# Altium PCB netv2mvp-pvt1b.PCBDOC (part 2 of 7)
Units mm, origin at the board's own origin, x right, y up, seen from the top; angles counter-clockwise.
Board outline 100 x 100 mm, 6 copper layers (L1, L2, L3, L4, L5, L6), stack 1.554 mm thick; 357 components, 296 nets, 2117 pads, 969 vias.
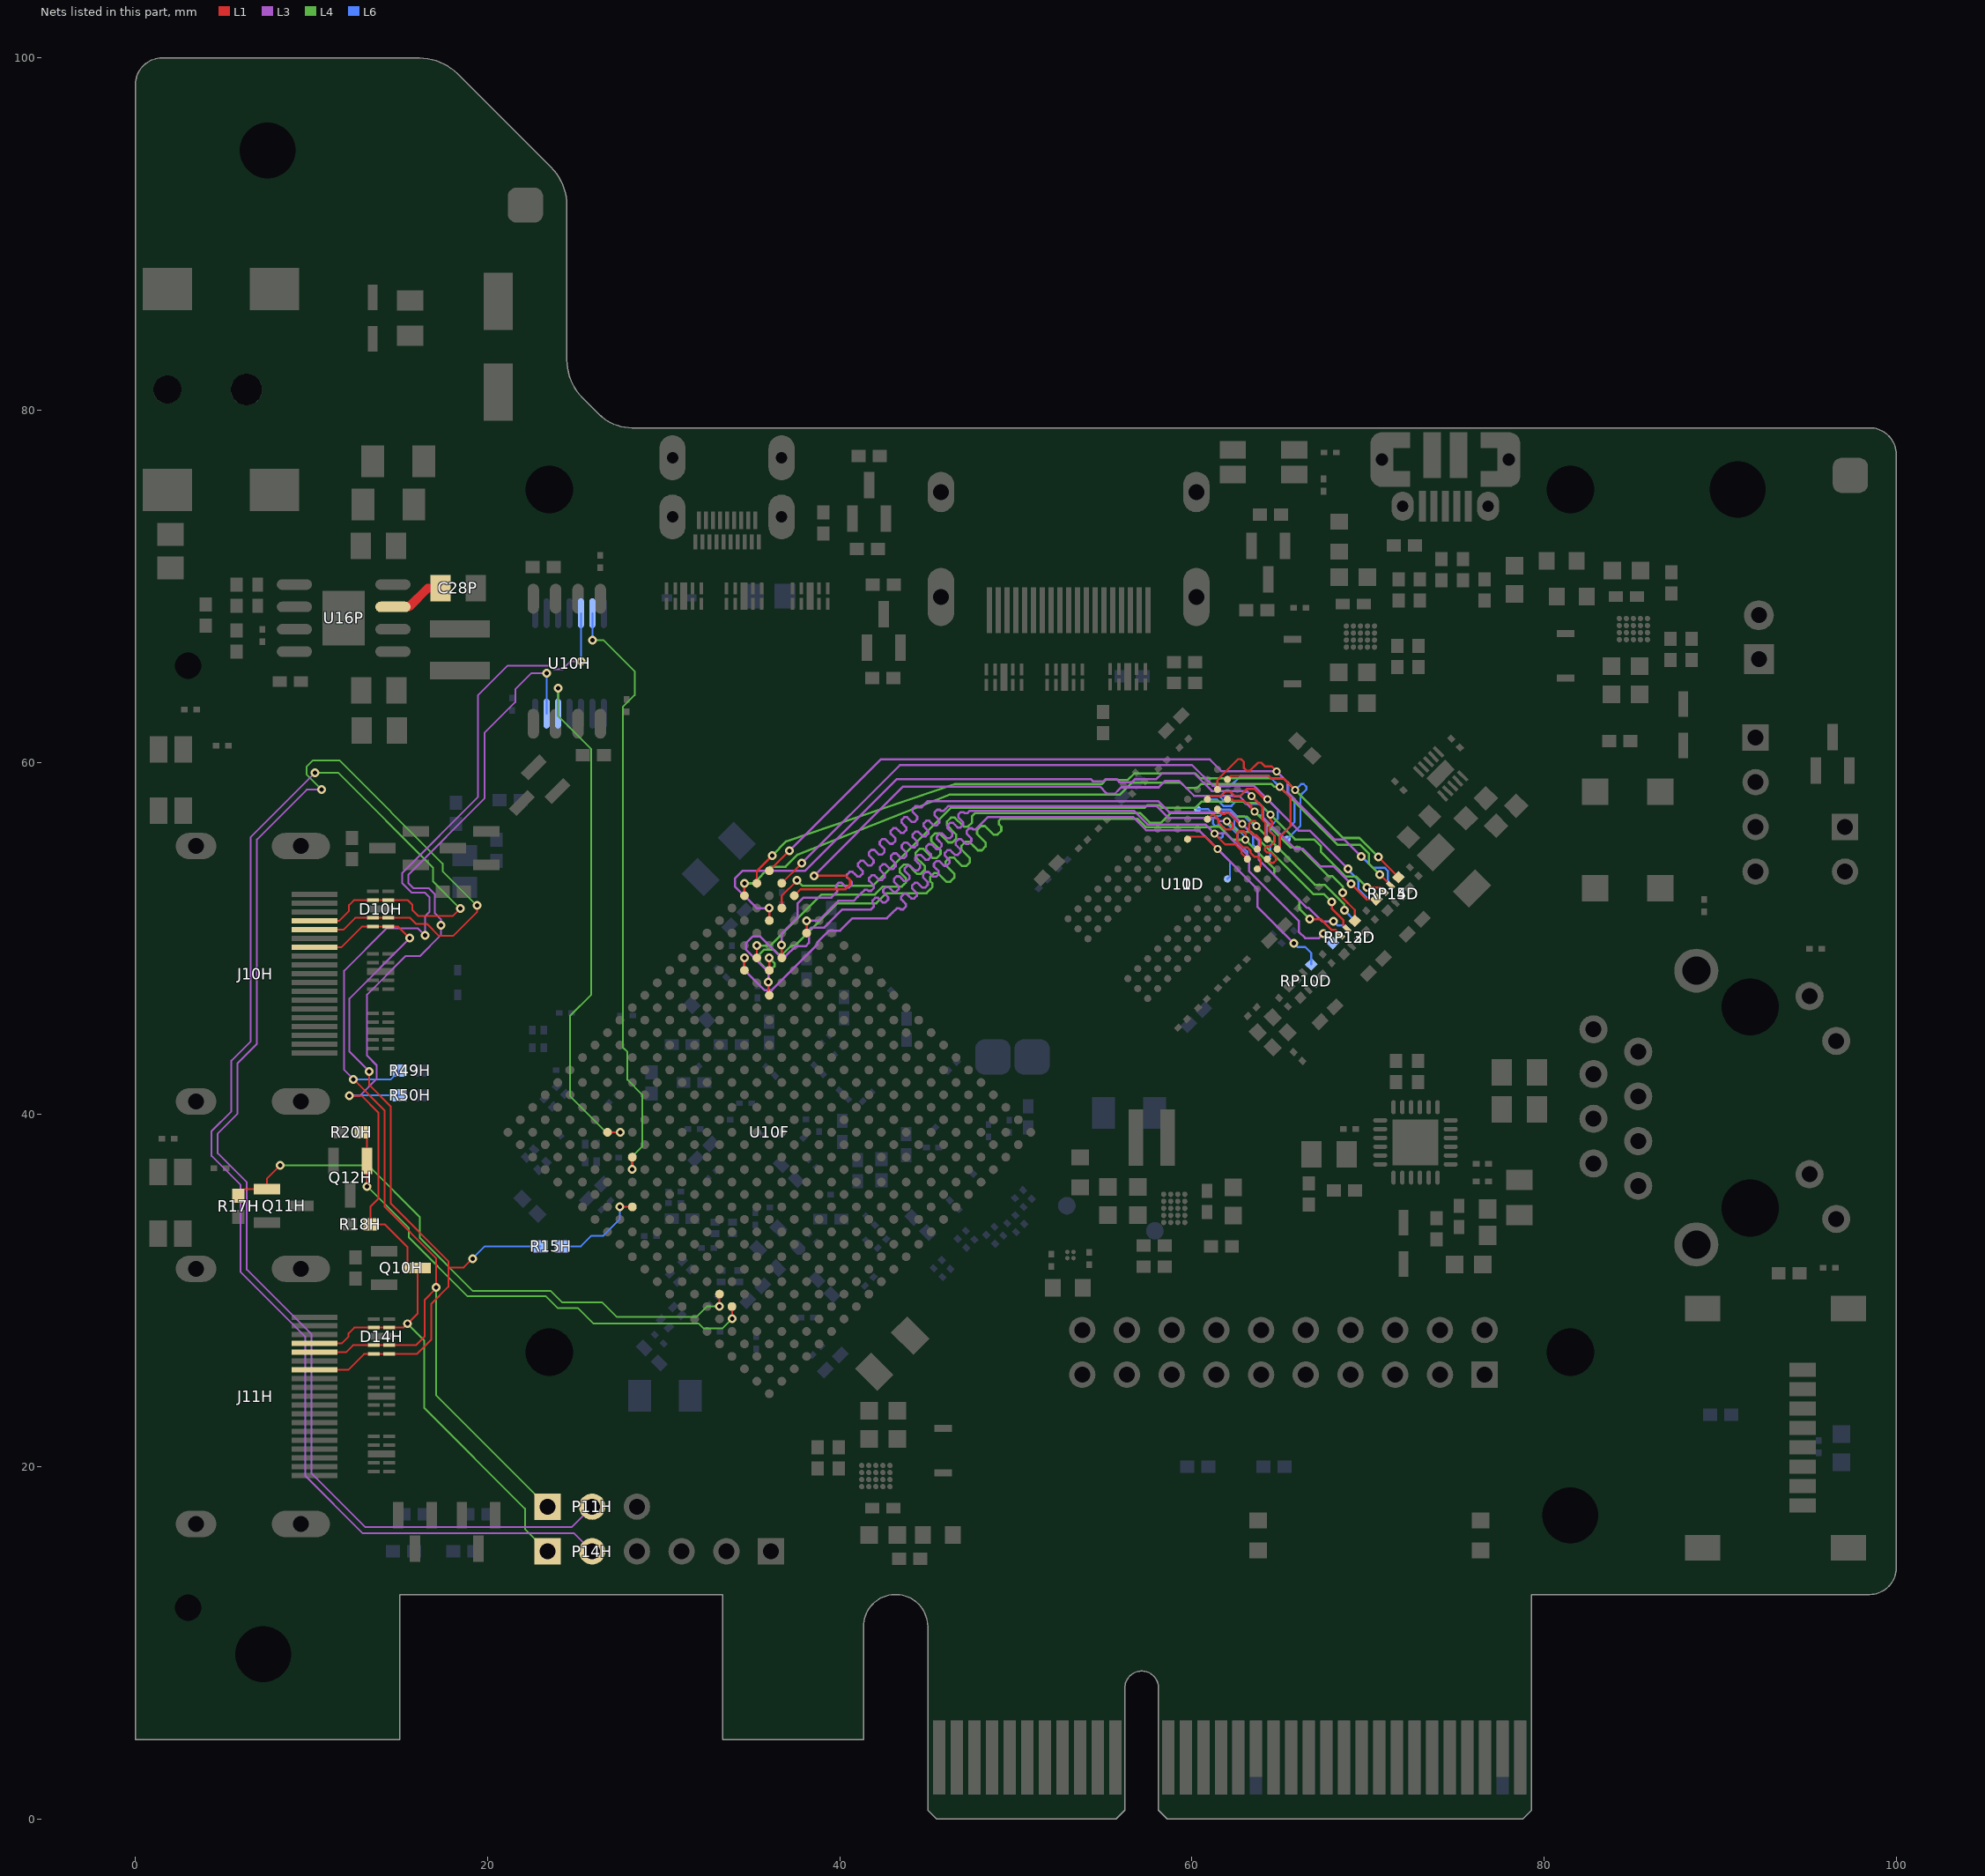
[diagram p6: the nets of this part, all layers, seen from the top]

## Footprints (in the part's own frame and the unit in brackets; to place one, negate y for a bottom-side part, rotate by r counter-clockwise, add the part's x,y. Pads: shape width x height; smd on the part's side, far side on the other; paste and mask are expansions set on the pad) (continued)
HDR1X4 [mm] "Connector; Header; 4 Position"
  rect 1.5x1.5 hole 0.9: 1(0,0)
  round 1.5 hole 0.9: 2(2.54,0) 3(5.08,0) 4(7.62,0)
  silkscreen extent -1.27,-1.27 8.89,1.27
HDR2X10 [mm] "Connector; Header; 10x2 Position"
  rect 1.5x1.5 hole 0.9: 1(0,0)
  round 1.5 hole 0.9: 2(0,2.54) 3(2.54,0) 4(2.54,2.54) 5(5.08,0) 6(5.08,2.54) 7(7.62,0) 8(7.62,2.54) 9(10.16,0) 10(10.16,2.54) 11(12.7,0) 12(12.7,2.54) 13(15.24,0) 14(15.24,2.54) 15(17.78,0) 16(17.78,2.54) 17(20.32,0) 18(20.32,2.54) 19(22.86,0) 20(22.86,2.54)
  silkscreen extent -1.27,-1.27 24.13,3.81
INDC1608AN [mm] "Chip Inductor, Body 1.6x0.8mm, IPC Medium Density"
  rect 1.1x1 smd: 1(-0.75,0) 2(0.75,0)
  body extent -0.9,-0.5 0.9,0.5, height 1
JST_S2B_XH_A [mm] "JST XH connector, 2-pin, RA, TH"
  rect 1.7x1.7 hole 0.9: 1(1.25,0)
  round 1.7 hole 0.9: 2(-1.25,0)
  silkscreen extent -3.7,-2.3 3.7,9.2, body extent -3.7,-2.3 3.7,9.2, height 5.95
LED_1210_DUAL [mm] "1210-sized dual LED package"
  rect 1.5x1 smd: 1(1.75,-0.7) 2(1.75,0.7) 3(-1.75,-0.7) 4(-1.75,0.7)
  silkscreen extent -0.7,-1.3 -0.7,1.3, body extent -1.6,-1.4 1.6,1.4, height 1.1
MICT-HA-96 [mm] "BGA, 96-Balls, Body 14x9mm, Pitch 0.8mm"
  round 0.4 smd: A1(-3.2,6) A2(-2.4,6) A3(-1.6,6) A7(1.6,6) A8(2.4,6) A9(3.2,6) B1(-3.2,5.2) B2(-2.4,5.2) B3(-1.6,5.2) B7(1.6,5.2) B8(2.4,5.2) B9(3.2,5.2) C1(-3.2,4.4) C2(-2.4,4.4) C3(-1.6,4.4) C7(1.6,4.4) C8(2.4,4.4) C9(3.2,4.4) D1(-3.2,3.6) D2(-2.4,3.6) D3(-1.6,3.6) D7(1.6,3.6) D8(2.4,3.6) D9(3.2,3.6) E1(-3.2,2.8) E2(-2.4,2.8) E3(-1.6,2.8) E7(1.6,2.8) E8(2.4,2.8) E9(3.2,2.8) F1(-3.2,2) F2(-2.4,2) F3(-1.6,2) F7(1.6,2) F8(2.4,2) F9(3.2,2) G1(-3.2,1.2) G2(-2.4,1.2) G3(-1.6,1.2) G7(1.6,1.2) G8(2.4,1.2) G9(3.2,1.2) H1(-3.2,0.4) H2(-2.4,0.4) H3(-1.6,0.4) H7(1.6,0.4) H8(2.4,0.4) H9(3.2,0.4) J1(-3.2,-0.4) J2(-2.4,-0.4) J3(-1.6,-0.4) J7(1.6,-0.4) J8(2.4,-0.4) J9(3.2,-0.4) K1(-3.2,-1.2) K2(-2.4,-1.2) K3(-1.6,-1.2) K7(1.6,-1.2) K8(2.4,-1.2) K9(3.2,-1.2) L1(-3.2,-2) L2(-2.4,-2) L3(-1.6,-2) L7(1.6,-2) L8(2.4,-2) L9(3.2,-2) M1(-3.2,-2.8) M2(-2.4,-2.8) M3(-1.6,-2.8) M7(1.6,-2.8) M8(2.4,-2.8) M9(3.2,-2.8) N1(-3.2,-3.6) N2(-2.4,-3.6) N3(-1.6,-3.6) N7(1.6,-3.6) N8(2.4,-3.6) N9(3.2,-3.6) P1(-3.2,-4.4) P2(-2.4,-4.4) P3(-1.6,-4.4) P7(1.6,-4.4) P8(2.4,-4.4) P9(3.2,-4.4) R1(-3.2,-5.2) R2(-2.4,-5.2) R3(-1.6,-5.2) R7(1.6,-5.2) R8(2.4,-5.2) R9(3.2,-5.2) T1(-3.2,-6) T2(-2.4,-6) T3(-1.6,-6) T7(1.6,-6) T8(2.4,-6) T9(3.2,-6)
  silkscreen extent -5.27,-7 4.5,7, body extent -4.5,-7 4.5,7, height 0.1
MOLEX_47151-0001 [mm] "Molex HDMI right angle header assembly"
  oval 1.5x3.3 hole 0.9 slot 2.7 at 90 deg mask+0.07: 0(-7.25,0) 0(7.25,0)
  oval 1.5x2.3 hole 0.9 slot 1.7 at 90 deg mask+0.07: 0(-7.25,-5.96) 0(7.25,-5.96)
  rect 0.3x2.6 smd mask+0.07: 1(4.5,0.76) 2(4,0.76) 3(3.5,0.76) 4(3,0.76) 5(2.5,0.76) 6(2,0.76) 7(1.5,0.76) 8(1,0.76) 9(0.5,0.76) 10(0,0.76) 11(-0.5,0.76) 12(-1,0.76) 13(-1.5,0.76) 14(-2,0.76) 15(-2.5,0.76) 16(-3,0.76) 17(-3.5,0.76) 18(-4,0.76) 19(-4.5,0.76)
  silkscreen extent -8.4,-10.55 8.4,2.76, body extent -7.5,-10.55 7.5,1.6, height 6.18
MOLEX_0467651301 [mm] "HDMI-D connector, through-hole shell pins"
  oval 1.5x2.55 hole 0.65 slot 1.7 at 90 deg mask+0.07: 0(-3.1,5.06) 0(-3.1,1.7) 0(3.1,5.06) 0(3.1,1.7)
  rect 0.23x0.85 smd mask+0.03: 1(1.8,6.475) 3(1.4,6.475) 5(1,6.475) 7(0.6,6.475) 9(0.2,6.475) 11(-0.2,6.475) 13(-0.6,6.475) 15(-1,6.475) 17(-1.4,6.475) 19(-1.8,6.475)
  rect 0.23x1 smd mask+0.03: 2(1.6,5.25) 4(1.2,5.25) 6(0.8,5.25) 8(0.4,5.25) 10(0,5.25) 12(-0.4,5.25) 14(-0.8,5.25) 16(-1.2,5.25) 18(-1.6,5.25)
  silkscreen extent -3.88,-0.7 3.88,0, body extent -3.25,-0.7 3.25,6.8, height 2.95
PANASONIC_EXB24V [mm] "2x0402 resistor network"
  rect 0.38x0.5 smd mask+0.076: 1(0,0) 2(0.65,0) 3(0.65,1) 4(0,1)
  silkscreen extent -0.15,-0.53 0.05,-0.53, body extent -0.27,-0.08 0.93,1.07, height 0.35
PANASONIC_EXB28V [mm] "4x0402 resistor network"
  rect 0.525x0.5 smd mask+0.076: 1(-0.138,0) 4(1.638,0) 5(1.638,0.9) 8(-0.138,0.9)
  rect 0.25x0.5 smd mask+0.076: 2(0.5,0) 3(1,0) 6(1,0.9) 7(0.5,0.9)
  silkscreen extent -0.47,-0.53 -0.27,-0.52, body extent -0.4,-0.07 1.9,0.98, height 0.35
PCIeX4-GF-2D-1000-1K-O64 [mm] "Golden finger, PCIeX4, Dual, Opposite, Pitch 1mm, 64-Position"
  rect 0.7x3.2 smd far side: A1(-9.5,0.5)
  rect 0.7x4.2 smd far side: A2(-8.5,0) A3(-7.5,0) A4(-6.5,0) A5(-5.5,0) A6(-4.5,0) A7(-3.5,0) A8(-2.5,0) A9(-1.5,0) A10(-0.5,0) A11(0.5,0) A12(3.5,0) A13(4.5,0) A14(5.5,0) A15(6.5,0) A16(7.5,0) A17(8.5,0) A18(9.5,0) A19(10.5,0) A20(11.5,0) A21(12.5,0) A22(13.5,0) A23(14.5,0) A24(15.5,0) A25(16.5,0) A26(17.5,0) A27(18.5,0) A28(19.5,0) A29(20.5,0) A30(21.5,0) A31(22.5,0) A32(23.5,0)
  rect 0.7x4.2 smd: B1(-9.5,0) B2(-8.5,0) B3(-7.5,0) B4(-6.5,0) B5(-5.5,0) B6(-4.5,0) B7(-3.5,0) B8(-2.5,0) B9(-1.5,0) B10(-0.5,0) B11(0.5,0) B12(3.5,0) B13(4.5,0) B14(5.5,0) B15(6.5,0) B16(7.5,0) B18(9.5,0) B19(10.5,0) B20(11.5,0) B21(12.5,0) B22(13.5,0) B23(14.5,0) B24(15.5,0) B25(16.5,0) B26(17.5,0) B27(18.5,0) B28(19.5,0) B29(20.5,0) B30(21.5,0) B32(23.5,0)
  rect 0.7x3.2 smd: B17(8.5,0.5) B31(22.5,0.5)
QFN50P400X400-24VBN [mm] "QFN, 24-Leads, Body 4x4mm, Pitch 0.5mm, IPC Medium Density"
  oval 0.8x0.25 smd: 1(-2,1.25) 2(-2,0.75) 3(-2,0.25) 4(-2,-0.25) 5(-2,-0.75) 6(-2,-1.25) 13(2,-1.25) 14(2,-0.75) 15(2,-0.25) 16(2,0.25) 17(2,0.75) 18(2,1.25)
  oval 0.25x0.8 smd: 7(-1.25,-2) 8(-0.75,-2) 9(-0.25,-2) 10(0.25,-2) 11(0.75,-2) 12(1.25,-2) 19(1.25,2) 20(0.75,2) 21(0.25,2) 22(-0.25,2) 23(-0.75,2) 24(-1.25,2)
  rect 2.6x2.6 smd: 25(0,0)
  silkscreen extent -3.08,-2.1 2.1,2.1, body extent -2.07,-2.07 2.07,2.07, height 1
RESC1005N [mm] "Chip Resistor, Body 1.1x0.5mm, IPC Medium Density"
  rect 0.8x0.7 smd: 1(-0.6,0) 2(0.6,0)
  body extent -0.55,-0.3 0.55,0.3, height 0.4
RESC1608N [mm] "Chip Resistor, Body 1.6x0.8mm, IPC Medium Density"
  rect 0.9x1 smd: 1(-0.85,0) 2(0.85,0)
  body extent -0.85,-0.48 0.85,0.48, height 0.6
RESC2012N [mm] "Chip Resistor, Body 2.0x1.3mm, IPC Medium Density"
  rect 1.2x1.4 smd: 1(-0.9,0) 2(0.9,0)
  silkscreen extent 0,-0.6 0,0.6, body extent -1.07,-0.7 1.07,0.7, height 0.65
SEMTECH_SLP2510P8 [mm] "Semtech array ESD package"
  rect 0.2x0.675 smd mask+0.038: 1(-1,-0.437) 2(-0.5,-0.437) 4(0.5,-0.437) 5(1,-0.437) 6(1,0.437) 7(0.5,0.438) 9(-0.5,0.437) 10(-1,0.437)
  rect 0.4x1.55 smd mask+0.038: 3(0,0)
  silkscreen extent -1.7,-1.5 1.4,0.6, body extent -1.3,-0.6 1.3,0.6, height 0.65
SOD-323 [mm] "SOD-323/SC-76; 2 Leads; Body 1.7 x 1.3 mm, (LxW)"
  rect 1.45x0.55 smd: 1(1.175,0) 2(-1.175,0)
  silkscreen extent -0.95,-0.75 0.95,0.75
SOD-523 [mm] "Molded Diode, 2-Leads, Body 1.2x0.8mm, IPC Medium Density"
  rect 0.6x0.4 smd: 1(-0.7,0) 2(0.7,0)
  silkscreen extent -1.3,-0.45 0.15,0.45, body extent -0.65,-0.45 0.65,0.45, height 0.7
SOIC127P600-8DN [mm] "8-Pin Small Outline Integrated Circuit 1.27 mm Pitch"
  oval 2x0.6 smd: 1(-2.8,1.905) 2(-2.8,0.635) 3(-2.8,-0.635) 4(-2.8,-1.905) 5(2.8,-1.905) 6(2.8,-0.635) 7(2.8,0.635) 8(2.8,1.905)
  rect 2.4x3.1 smd: 9(0,0)
  silkscreen extent -2.62,-2.5 1.1,2.88, body extent -2,-2.5 2,2.5, height 1.55
SOIC127P790X216-8N [mm] "SOIC, 8-Leads, Body 5.23x5.28mm, Pitch 1.27mm, IPC Medium Density"
  oval 1.7x0.65 smd: 1(-3.55,1.905) 2(-3.55,0.635) 3(-3.55,-0.635) 4(-3.55,-1.905) 5(3.55,-1.905) 6(3.55,-0.635) 7(3.55,0.635) 8(3.55,1.905)
  silkscreen extent -3.67,-2.65 2.3,2.91, body extent -2.7,-2.65 2.7,2.65, height 2.16
SOT23-3N [mm] "SOT23, 3-Leads, Body 2.9x1.3mm, Pitch 0.95mm, Lead Span 2.5mm, IPC Medium Density"
  rect 1.5x0.6 smd: 1(-0.95,0.95) 2(-0.95,-0.95) 3(0.95,0)
  silkscreen extent -1.07,-1.5 0.7,1.92, body extent -0.7,-1.5 0.7,1.5, height 1.1
SWITCH_TS-1187A [mm] "TS-1187A tact switch, Chi Fung Electronics"
  rect 1.5x1.5 smd mask+0.07: 1(0,0) 2(0,-5.5) 3(3.7,0) 4(3.7,-5.5)
  silkscreen extent -0.7,-5.3 4.4,-0.2, body extent -0.7,-5.3 4.4,-0.2, height 1.6
TI-DSQ-R-PWSON-N10 [mm] "SON, 10-Leads, Body 2.00x2.00mm, Pitch 0.40mm, Thermal Pad 1.50x0.79mm, IPC Medium Density"
  rect 0.75x0.2 smd mask+0.07: 1(0,0) 2(0,-0.4) 3(0,-0.8) 4(0,-1.2) 5(0,-1.6) 6(1.94,-1.6) 7(1.94,-1.2) 8(1.94,-0.8) 9(1.94,-0.4) 10(1.94,0)
  rect 0.79x1.5 smd paste-0.4 mask+0.07: 11(0.97,-0.8)
  silkscreen extent -0.64,0.26 -0.54,0.36, body extent -0.08,-1.85 2.02,0.25, height 0.8
TI_YKE004 [mm] "DSBGA with SMD pads, 4-Leads, Body 0.65x0.65mmx0.45mm, Pitch 0.35mm"
  round 0.25 smd mask-0.04: A1(-0.175,0.175) A2(0.175,0.175) B1(-0.175,-0.175) B2(0.175,-0.175)
  silkscreen extent -0.48,0.38 -0.38,0.48, body extent -0.33,-0.32 0.32,0.33, height 0.45
TP_2MM_SQ [mm] "2mm x 2mm square test pad"
  rrect50% 2x2 smd: 1(0,0)
TSOP65P640-14AN [mm] "TSOP, 14-Leads, Body 5x4.4mm, Pitch 0.65mm, IPC Medium Density"
  oval 1.7x0.35 smd: 1(-2.85,1.95) 2(-2.85,1.3) 3(-2.85,0.65) 4(-2.85,0) 5(-2.85,-0.65) 6(-2.85,-1.3) 7(-2.85,-1.95) 8(2.85,-1.95) 9(2.85,-1.3) 10(2.85,-0.65) 11(2.85,0) 12(2.85,0.65) 13(2.85,1.3) 14(2.85,1.95)
  silkscreen extent -2.97,-2.55 1.6,2.8, body extent -2.25,-2.55 2.25,2.55, height 1.2
UDE_RB1-125BAG1A [mm] "10/100 Ethernet Jack with Magnetics"
  round 2.5 hole 1.6: 0(-7.775,3.05) 0(7.775,3.05)
  round 1.6 hole 0.9: L1(6.325,-3.38) L3(-3.785,-3.38) R1(-4.445,6.35) R2(-3.175,8.89) R3(-1.905,6.35) R4(-0.635,8.89) R5(0.635,6.35) R6(1.905,8.89) R7(3.175,6.35) R8(4.445,8.89)
  round 1.6 hole 0.9 mask+0.07: L2(3.785,-4.9) L4(-6.325,-4.9)
  round 1.6 hole 3.25 unplated: NPT(-5.715,0) NPT(5.715,0)
  silkscreen extent -7.9,-10.9 7.9,10.9, body extent -7.9,-10.9 7.9,10.9, height 13.35
"USB_MICRO_B_SMT - KAWEEI" [mm] "Micro B SMT footprint (based on USB-IF recommended pattern)"
  oval 1.3x3.12 hole 0.7 slot 1.3 at 90 deg mask+0.07: 0(-3.6,0) 0(3.6,0)
  rect 1.6x0.9 smd mask+0.07: 0(-2.8,-1.1) 0(-2.8,1.1) 0(2.8,-1.1) 0(2.8,1.1)
  oval 1.25x1.65 hole 0.65 slot 1.05 at 90 deg mask+0.07: 0(-2.425,2.65) 0(2.425,2.65)
  rect 1x2.6 smd mask+0.07: 0(-0.75,-0.25) 0(0.75,-0.25)
  rect 0.4x1.75 smd mask+0.07: 1(-1.3,2.65) 2(-0.65,2.65) 3(0,2.65) 4(0.65,2.65) 5(1.3,2.65)
  silkscreen extent -3.4,-1.7 3.3,-1.7, body extent -4.02,-2.75 4.02,3.28, height 2.85

## Part data
C10C C10H C11D C11F C12D C12F C12H C13E C14D C15E C15F C16C C16D C16F C17D C18D C18E C19D C20E C20F C21F C22F C23F C24F C25F C27D C27F C29D C31D C32D C33D C34D C35D C36D C36F C37F C37P C38D C39D C40D C40F C41D C42D C43D C50D C87F C88F C89F: library part "Cap Semi", "Capacitor (Semiconductor SIM Model)", MPN=CL03A104KQ3NNNC, MYPN=C-104-6p3-X5R-0201, VENDOR=Samsung
C10D C10F C15D C17E C17F C20D C21D C26D C28D C28F C29F C30D C37D C38F C44D C46F C47F C48F C56F C57F C58F C63F C64F C65F C70F C71F C72F C77F C78F C79F C84F C85F C86F: library part "Cap Semi", "Capacitor (Semiconductor SIM Model)", MPN=CL05A475MQ5NQNC, MYPN=C-475-6p3-X5R-0402, VENDOR=Samsung
C10E C11E C28P C33P C38P: library part "Cap Semi", "Capacitor (Semiconductor SIM Model)", MPN=CL21B104KBCNNWC, MYPN=C-104-50-X7R-0805, VENDOR=Samsung
C10P C11H C12P C14P C15P C16E C16P C17P C18P C19E C20P C22P C23P C24P C25P C29P C30P: library part "Cap Semi", "Capacitor (Semiconductor SIM Model)", MPN=CL10A106MQ8NNNC, MYPN=C-106-6.3-X5R-0603, VENDOR=Samsung
C11P C13P C19P C21P: library part "Cap Semi", "Capacitor (Semiconductor SIM Model)", MPN=CL05B103KA5NNNC, MYPN=C-103-25-X7R-0402, VENDOR=Samsung
C12E C14E C34P C35P: library part "Cap Semi", "Capacitor (Semiconductor SIM Model)", MPN=GRM21BR61A226ME51L, LatestRevisionDate=17-Jul-2002, LatestRevisionNote="Re-released for DXP Platform.", MFG=Murata, MYPN=C-226-10-X5R-0805, PackageReference=C1206, Published=8-Jun-2000, Publisher="Altium Limited"
C13D C35F C49D C49F C50F: library part "Cap Semi", "Capacitor (Semiconductor SIM Model)", MPN=CL31A107MQHNNNE, MYPN=C-107-6p3-X5R-1206, VENDOR=Samsung
C13F C14F C18F C19F C26F C30F C31F C32F C33F C34F C39F C41F C42F C43F C44F C45F C51F C52F C53F C54F C55F C59F C60F C61F C62F C66F C67F C68F C69F C73F C74F C75F C76F C80F C81F C82F C83F C90F C91F C92F C93F C94F C95F C96F C97F C98F C99F: library part "Cap Semi", "Capacitor (Semiconductor SIM Model)", MPN=CL03A474KQ3NNNH, MYPN=C-474-6p3-X5R-0201, VENDOR=Samsung
C22D C23D C24D C25D C31P C45D C46D C47D C48D: library part "Cap Semi", "Capacitor (Semiconductor SIM Model)", MPN=CL03A224MQ3NNNC, MYPN=C-224-6p3-X5R-0201, VENDOR=Samsung
C26P C27P C42P: library part "Cap Semi", "Capacitor (Semiconductor SIM Model)", MPN=CL03A105KQ3CSNC, MYPN=C-105-6p3-X5R-0201, VENDOR=Samsung
C32P C41P: library part "Cap Semi", "Capacitor (Semiconductor SIM Model)", MPN=CL31A106KBHNNNE, MYPN=C-106-50-X5R-1206, VENDOR=Samsung
C36P: library part "Cap Semi", "Capacitor (Semiconductor SIM Model)", MPN=GCM1555C1H100JA16D, MYPN=C-100-50-NP0-0402, VENDOR=Murata
C39P: library part "Cap Semi", "Capacitor (Semiconductor SIM Model)", MPN=CL05B332KA5NNNC, MYPN=C-332-25-X7R-0402, VENDOR=Samsung
C40P: library part "Cap Pol1", "Polarized Capacitor (Radial)", MPN=UCL1E470MCL1GS, MYPN=C-476-25-UCL-6.3x5.8, VENDOR=Nichicon
C51D: library part "Cap Semi", "Capacitor (Semiconductor SIM Model)", MPN=GRM0335C1H3R3CA01D, MYPN=C-3R3-50-NP0-0201, VENDOR=Murata
D10E D12P: library part "D Schottky", "Schottky Diode", MPN=NSR0530H-D, MYPN=D-S-0p5-30-0p37-SOD323, Revision="July-2002: Re-released for DXP Platform.", VENDOR="Semtech HK LTD"
D10F D11F D12F: library part DUAL_LED_1210, "3.2mm x 2.7mm dual LED red/green", MPN=CB-3227QRQGC-PX, MYPN=D-LED-1210-DUAL-RED-GREEN, VENDOR=Citybright
D10H D11H D12H D14H D15H D16H D17H D18H D19H D21H D22H D23H: MPN=RCLAMP0524PATCT, $LOCATION=D8, CDS_LIB=integrated_circuits, CDS_LMAN_SYM_OUTLINE=-175,225,175,-175, CDS_LOCATION=D8, DRAWING=@BROWNSTONE_LIB.BROWNSTONE(SCH_1):PAGE10, LOCATION=D8, MATERIAL=IC, MYPN=D-RCLAMP0524PATCT, OriginalSymbolOrigin=(-175,225), PACK_TYPE=SLP1610P4, PART_NUMBER=V00004-001, PATH=I24, PHYS_PAGE=10, ROT=0, SEC=1, SEC_TYPE=SLP1610P4, VENDOR=Semtech, VER=1, XY=(-2475,4175)
D10P: library part BIDIR_ESD, "Bidirectional zener diode, Vz 17.1V nom", MPN=PESD24VS1UA,115, MYPN=U-PESD24VL1BA,115, VENDOR=NXP
D11P: library part LED2, "Typical RED, GREEN, YELLOW, AMBER GaAs LED", MPN=CB-2012QWC-P8, MYPN=D-LED-WHITE1-0805, VENDOR=CITYBRIGHT
D13H D20H: library part Tranzorb, "On Semi 5.0V standoff TVS diode", LatestRevisionDate=17-Jul-2002, LatestRevisionNote="Re-released for DXP Platform.", MPN=ESD5Z5.0T1G, MYPN=D-ESD5Z5.0T1G, PackageReference=DO-7, Published=24-Mar-1999, Publisher="Altium Limited", VENDOR="On Semiconductor"
F10H F11H: library part FUSE0805, "Murata 140mA fuse, 40mA hold", MPN=0ZCK0010FF2G, $LOCATION=F1, CDS_LIB=fuses, CDS_LMAN_SYM_OUTLINE=-75,50,75,-50, CDS_LOCATION=F1, DRAWING=@BROWNSTONE_LIB.BROWNSTONE(SCH_1):PAGE10, LOCATION=F1, MATERIAL=FUSE, MYPN=PRG21BB150MB1RK, OriginalSymbolOrigin=(-125,50), PACK_TYPE=FUSE0805, PART_NUMBER=M00014-001, PATH=I13, PHYS_PAGE=10, ROT=0, SEC=1, SEC_TYPE=FUSE0805, VENDOR="Bel Fuse", VER=1, XY=(-4350,3000)
J10E: library part "UDE RB1-ZZ-0025", "10/100 Ethernet Jack with Magnetics", MPN="CMJ015J-8P8CX-R01GYC / RJMG1BD3B8K1ANR", MYPN=J-RB1-ZZ-0025, VENDOR="Kaweei / Amphenol"
J10H J11H J12H: library part "Header 19", "Molex HDMI connector, Type A", MPN=CHDMI-AFM2S-01-D, LatestRevisionDate=17-Jul-2002, LatestRevisionNote="Re-released for DXP Platform.", MYPN=J-HDMI-SMT-RA-A-MALE, Publisher="Altium Limited", VENDOR=KAWEEI
J11E: library part MICRO_SD, "Captive Micro-SD card for firmware images", MPN=CTFD001-S-01-WC, MYPN=J-MICROSD-SLIDELOCK, VENDOR=KAWEEI
JP10P: library part PWR2.5, "Low Voltage Power Supply Connector", MPN=DC-480-2.0A-SMT, Datasheet="Latest Revision: 09-May-2002", MYPN=J-PJ-002AH-SMT-TR, Published=17-Dec-2003, Publisher="Altium Limited", VENDOR=KAWEEI
L10P: library part "Inductor Iron", "Magnetic-Core Inductor", MPN=XEL3530-501ME_, MYPN=L-XEL3530-501ME_, VENDOR=COILCRAFT
L11E: library part "Inductor Iron", "Magnetic-Core Inductor", MPN=BLM18KG121TN1D, LatestRevisionDate=17-Jul-2002, LatestRevisionNote="Re-released for DXP Platform.", MYPN=L-FB-120-3A, PackageReference=AXIAL-0.9, Published=24-Mar-1999, Publisher="Altium Limited", VENDOR=MURATA
L11P L12P L13P: library part "Inductor Iron", "Magnetic-Core Inductor", MPN=LPS3008-561MRC, MYPN=L-LPS3008-561MR, VENDOR=COILCRAFT
L14P: library part "Inductor Iron", "Magnetic-Core Inductor", MPN=XEL4030-332ME_, MYPN=L-XEL4030-332ME_, VENDOR=COILCRAFT
P10C: library part "Header 4", "Header, 4-Pin", MPN=DNP, LatestRevisionDate=17-Jul-2002, LatestRevisionNote="Re-released for DXP Platform.", MYPN=J-HDR-2.54-4x1-STD-DNP, Publisher="Altium Limited", VENDOR=DNP
P10F: library part "Header 2", "Header, 2-Pin", MPN=DNP, LatestRevisionDate=17-Jul-2002, LatestRevisionNote="Re-released for DXP Platform.", MYPN=DNP, Publisher="Altium Limited", VENDOR=DNP
P10H: library part HDMI-TYPE-D, "HDMI Type D with through-hole mounts", MPN=CHDMI-DFMS-01-D, MYPN=J-HDMI-D-THMNT, VENDOR=KAWEEI
P10P: library part "Header 2", "Header, 2-Pin", MPN=S2B-XH-A, MYPN=J-JST-2.5MM-XH-2-RA-TH, VENDOR=JST
P11C: library part "Header 10X2", "Header, 10-Pin, Dual row", MPN=F201-SGP-D048-20-P4, LatestRevisionDate=17-Jul-2002, LatestRevisionNote="Re-released for DXP Platform.", MYPN=ESW-110-44-L-D, Publisher="Altium Limited", VENDOR=KAWAEEI
P11H P14H: library part "Header 3", "Header, 3-Pin", MPN=CP25411-03G-S116-X, LatestRevisionDate=17-Jul-2002, LatestRevisionNote="Re-released for DXP Platform.", MYPN=H-M3P-2.54-1R-6MM, Publisher="Altium Limited", VENDOR=KAWEEI
P12H: library part USB_MINI-AB_1, "Micro USB B type connector", MPN=CMCUSB-5BFM14M-01-X, MYPN=J-MICROUSB-SMT-FCI, VENDOR=KAWEEI
P13H: library part CMP-0001-00031-1, "Golden finger, PCIeX4, Dual, Opposite, Pitch 1mm, 64-Position", ClassName="Edge Connector", Datasheet Version="rev2.0, Apr-2007", Mating Connector=Molex-87715-9106, Package Reference=PCIeX4-GF-2D-1000-1K-O64, Publisher=Altium
P15H: library part "Header 3", "Header, 3-Pin", MPN=DNP, LatestRevisionDate=17-Jul-2002, LatestRevisionNote="Re-released for DXP Platform.", MYPN=DNP, Publisher="Altium Limited", VENDOR=KAWEEI
Q10H Q13H: library part MOSFET-P, "P-Channel MOSFET", LatestRevisionDate=17-Jul-2002, LatestRevisionNote="Re-released for DXP Platform.", MPN=BSS84, MYPN=Q-BSS84, PackageDescription="TO, Flat Index; 3 In-Line, Axial Leads; Body Dia. 4.6mm; Lead Dia. 0.5 mm (max)", PackageReference=E3, PackageVersion=1995/1996, Published=8-Jun-2000, Publisher="Altium Limited", VENDOR="ON Semiconductor"
Q10P Q11H Q12H Q14H Q15H Q16H Q17H Q18H Q19H Q20H: library part MOSFET-N, "N-Channel MOSFET", MPN=BSS138LT1G, LatestRevisionDate=17-Jul-2002, LatestRevisionNote="Re-released for DXP Platform.", MYPN=Q-BSS138LT1G, PackageReference=E3, PackageVersion=1995/1996, Published=8-Jun-2000, Publisher="Altium Limited", VENDOR="ON Semiconductor"
R10C R10D R10H R10P R11D R11F R11P R12D R12E R12F R12P R13D R13E R13F R13P R14D R14E R14P R15E R15H R15P R16F R16P R17F R17P R18F R18H R18P R19E R19P R20E R20P R21E R21P R22P R23P R24P R25P R26H R26P R27P R28H R29P R30H R30P R31P R32H R37H R38H R39H R40H: library part Res1, "Resistor", MPN=ANY, VENDOR=ANY
  R10C: MYPN=R-242-1P-1_16W-0201
  R10D R12E R14D R14E R16F R17F R18F R19E R20E R21E: MYPN=R-241-1P-1_16W-0201
  R10H R12P R13P R14P R15P R21P R22P R23P R24P R29P R40H: MYPN=R-104-1P-1_16W-0402
  R10P R11P R18P R19P R20P R27P R38H: MYPN=R-0R0-1P-1_16W-0603
  R11D R12F R13E R13F: MYPN=R-472-1P-1_16W-0402
  R11F: MYPN=R-101-1P-1_16W-0402
  R12D R13D: MYPN=R-430-1P-1_16W-0402
  R15E: MYPN=R-6491-1P-1_16W-0402
  R15H R18H R26H R28H R30H R32H: MYPN=R-390-1P-1_16W-0402
  R16P: MYPN=R-4023-1P-1_16W-0402
  R17P: MYPN=R-8062-1P-1_16W-0402
  R25P: MYPN=R-1153-1P-1_16W-0402
  R26P: MYPN=R-3162-1P-1_16W-0402
  R30P: MYPN=R-1243-1P-1_16W-0402
  R31P: MYPN=R-2212-1P-1_16W-0402
  R37H: MYPN=ANY
  R39H: MYPN=DNP
R10E R10F R11E R15F R16H R17E R17H R20H R27H R29H R31H R34H: library part Res1, "Resistor", MPN=RS02U102FT, MYPN=R-102-1P-1_16W-0402, VENDOR=Fenghua
R11C R12C: library part Res1, "Resistor", MPN=RS02U472FT, MYPN=R-472-1P-1_16W-0402, VENDOR=Fenghua
R11H R12H R13H R14H R19H R21H R22H R25H: library part RPACK2, MPN=RP102PJ510CS, MFG=SAMSUNG, MYPN=RP-RP102PJ510CS
R14F: library part Res1, "Resistor", MPN=RS02U331FT, MYPN=R-331-1P-1_16W-0402, VENDOR=Fenghua
R16E R18E R33H: library part Res1, "Resistor", MPN=RS02U103FT, MYPN=R-103-1P-1_16W-0402, VENDOR=Fenghua
R23H: library part Res1, "Resistor", MPN=RS02U152FT, MYPN=R-152-1P-1_16W-0402, VENDOR=Fenghua
R24H R28P: library part Res1, "Resistor", MPN=DNP, MYPN=DNP
  R24H: VENDOR=Fenghua
  R28P: VENDOR=ANY
R32P: library part Res1, "Resistor", MPN=RS02U332FT, LatestRevisionDate=17-Jul-2002, LatestRevisionNote="Re-released for DXP Platform.", MYPN=R-332-1P-1_16W-0402, PackageReference=AXIAL-0.3, Published=8-Jun-2000, Publisher="Altium Limited", VENDOR=Fenghua
R35H R49H R50H R51H: library part Res1, "Resistor", MPN=RS02U473FT, LatestRevisionDate=17-Jul-2002, LatestRevisionNote="Re-released for DXP Platform.", MYPN=R-473-1P-1_16W-0402, PackageReference=AXIAL-0.3, Published=8-Jun-2000, Publisher="Altium Limited", VENDOR=Fenghua
R36H R41H R42H R43H R44H R45H R46H R47H R48H: library part Res1, "Resistor", MPN=RS02U182FT, LatestRevisionDate=17-Jul-2002, LatestRevisionNote="Re-released for DXP Platform.", MYPN=R-182-1P-1_16W-0402, PackageReference=AXIAL-0.3, Published=8-Jun-2000, Publisher="Altium Limited", VENDOR=Fenghua
RP10D RP11D RP12D RP13D RP14D RP15D: library part RPACK4, MPN=RP104PJ430CS, MYPN=R-430-RP4-0402-5P-CVEX, VENDOR=Samsung
SW10C: library part "Header 4", "Chi Fung TS-1187A", MPN=SW-PB-5X5-1.6, LatestRevisionDate=17-Jul-2002, LatestRevisionNote="Re-released for DXP Platform.", MYPN=SW-PB-5X5-1.6, Publisher="Altium Limited", VENDOR=Kangdeli
TP10H TP11H TP12H TP13H: library part CON1, "Connector"
U10C: library part EN25P05-50GCP, "64Mbit SPI NOR FLASH", MPN=W25Q64JVSSIM, MYPN=UW25Q64JVSSIM, VENDOR=Winbond
U10D U11D: "2Gb DDR3-1600 SDRAM, 128Mb x 16, 1.25ns, 1.5V, 0 to 95 degC, 96-Ball FBGA, Pb-Free", MPN=MT41J128M16JT-125:K, Op. Temp.="0C to +95C", Package=FBGA, Voltage=1.5V, CL="CL = 11", Clock Rate="800 MHz", ComponentLink1Description="Manufacturer URL", ComponentLink1URL=http://www.micron.com/, ComponentLink2Description=Datasheet, ComponentLink2URL=http://www.micron.com/~/media/Documents/Products/Data%20Sheet/DRAM/2Gb_DDR3_SDRAM.pdf, ComponentLink3Description="Package Specification", ComponentLink3URL=http://www.micron.com/~/media/Documents/Products/Data%20Sheet/DRAM/4Gb_1_35V_DDR3L.pdf, Cycle Time=1.25ns, Data Rate=DDR3-1600, DatasheetVersion="Rev. P", Density=2Gb, Depth=128Mb, Mounting Technology="Surface Mount", MYPN=UDDR3-128M16-125-96BGA, PackageDescription="96-Ball Fine-Pitch Ball Grid Array, 14 x 9 mm, Pitch 0.8 mm", PackageReference=MICT-HA-96, PackageVersion=Rev.E, Pin Count=96-ball, RoHS=Yes, VENDOR=Micron, Width=x16
U10E: "KSZ8081RND MII Ethernet PHY", MPN=KSZ8081RNDCA, MYPN=UKSZ8081RND, VENDOR=Microchip
U10F: "Artix-7 FPGA, 250 User I/Os, 4 GTP, 484-Ball BGA, Speed Grade 2, Commercial Grade, Pb-Free", Manufacturer=Xilinx, Operating Temperature Range=Commercial, Available User I/O=250, Clock Mgmt Tiles (CMTs)=5, ComponentLink1Description="Manufacturer URL", ComponentLink1URL=http://www.xilinx.com/, ComponentLink2Description=Datasheet, ComponentLink2URL=http://www.xilinx.com/support/documentation/data_sheets/ds180_7Series_Overview.pdf, ComponentLink3Description="Package Specification", ComponentLink3URL=http://www.xilinx.com/support/documentation/user_guides/ug475_7Series_Pkg_Pinout.pdf, ComponentLink4Description="DC and Switching Characteristics", ComponentLink4URL=http://www.xilinx.com/support/documentation/data_sheets/ds181_Artix_7_Data_Sheet.pdf, ComponentLink5Description="Package File", ComponentLink5URL=http://www.xilinx.com/support/packagefiles/a7packages/xc7a200tsbg484pkg.txt, ComponentLink6Description="Packaging and Pinout", ComponentLink6URL=http://www.xilinx.com/support/documentation/user_guides/ug475_7Series_Pkg_Pinout.pdf, DatasheetVersion=v1.15, GTP=4, Logic Cells=33280, Maximum Distributed RAM="400 Kb", Mounting Technology="Surface Mount", MPN=XC7A35T-2FGG484C, MYPN=U-XC7A35T-2FGG484C, NexusDeviceID=XC7A35T-2FGG484C, PackageDescription="484-Ball Wire-Bond Fine-Pitch BGA, Body 23 x 23 mm, Pitch 1 mm", PackageReference=FGG484, PackageVersion="Rev. 1.11", PartNumber=XC7A35T-2FGG484C, Speed Grades=2, Total Block RAM="1800 Kb", VENDOR=Xilinx
U10H: library part 74AC04SC, "Hex Inverter, 14-Pin SOIC, Commercial Grade", Code_IPC=SOIC127P600-14, ComponentLink1Description="Manufacturer Link", ComponentLink1URL=http://www.fairchildsemi.com/, ComponentLink2Description=Datasheet, ComponentLink2URL=http://www.fairchildsemi.com/ds/74%2F74AC04.pdf, DatasheetVersion=Nov-1999, IC_Technology=AC, LatestRevisionDate=13-Apr-2006, LatestRevisionNote="IPC-7351 Footprint Added.", MPN=74AHC14PW,118, MYPN=U-74VHC04MTC, PackageDescription="14-Pin Small Outline Integrated Circuit 1.27 mm Pitch", PackageReference=M14A, PackageVersion=2000, Published=17-Jul-2002, Publisher="Altium Limited", VENDOR=NXP
U10P U11P U12P U13P: "2.4MHz, 5A TinyBuck Synchronous Buck Regulator", MPN=FAN53541UCX, MYPN=UFAN53541UCX, VENDOR="Fairchild Semiconductor"
U11F: library part OSCILLATOR, "Abracon ASDMB Miniature Oscillator", MPN=ASDMB-50.000MHZ-LC-T, MYPN=U-ASDMB-50MHz, VENDOR="Abracon LLC"
U14P: library part LP5907UVX, "Ultra low-noise 250mA LDO for RF and analog in DSBGA", MPN=LP5907UVX-1.2/NOPB, MYPN=ULP5907UVX-1.2, VENDOR=TI
U15P: "2A-peak sink/source DDR termination regulator", MPN=TPS51206DSQ(T/R), MYPN=UTPS51206DSQ, VENDOR=TI
U16P: "3-A Output Single Synchronous Step-Down Buck with Integrated FET", MPN=TPS54327DDA(R), MYPN=U-TPS54327DDA, VENDOR=TI
